# KiCad board panel_50_1.kicad_pcb (continued)
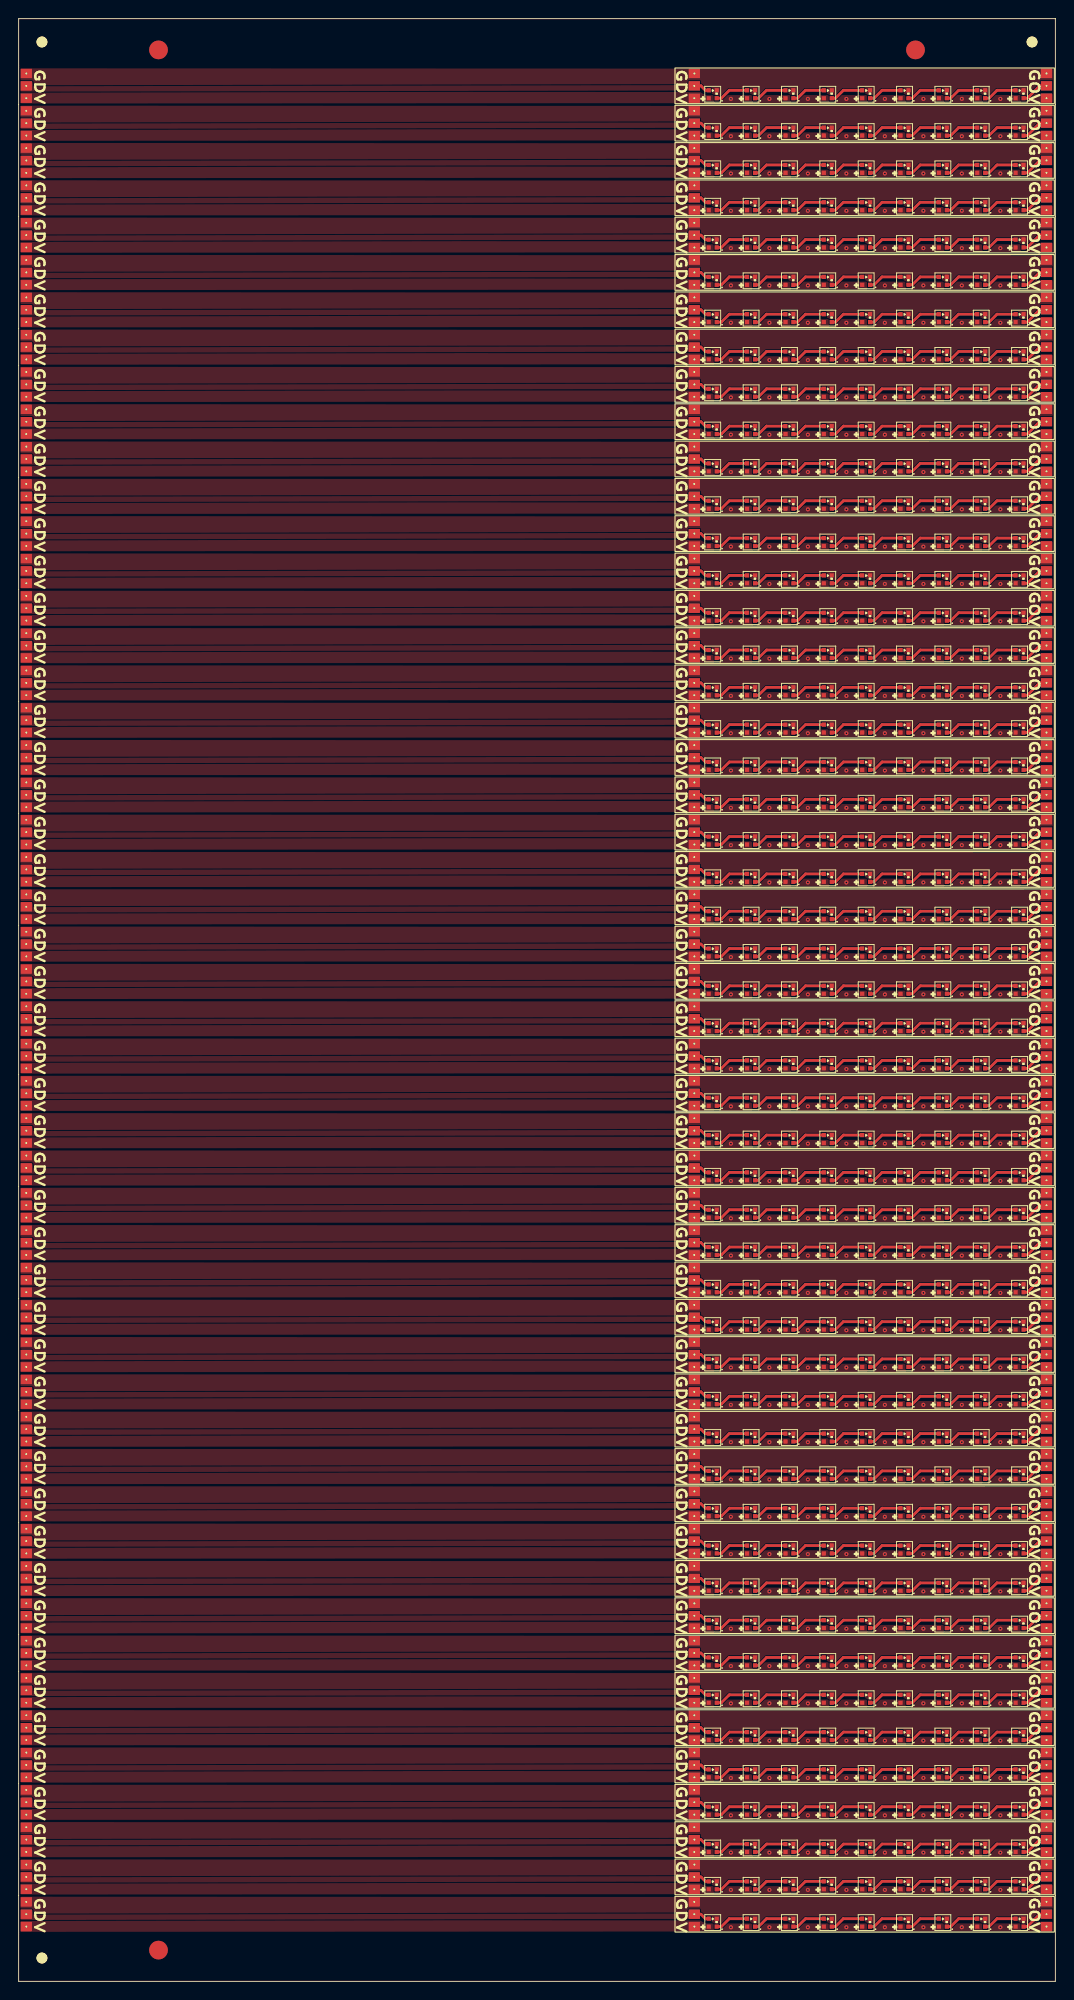
[diagram p0: board, top side]
## Placement (name value [footprint] x y rotation side) (continued)
J7#26  Conn_01x01  [TH_Pads_1.2x1_P1.20mml]  0.82 37.87 0 top
J7#27  Conn_01x01  [TH_Pads_1.2x1_P1.20mml]  0.82 77.87 0 top
J7#28  Conn_01x01  [TH_Pads_1.2x1_P1.20mml]  0.82 105.87 0 top
J7#29  Conn_01x01  [TH_Pads_1.2x1_P1.20mml]  0.82 57.87 0 top
J7#30  Conn_01x01  [TH_Pads_1.2x1_P1.20mml]  0.82 33.87 0 top
J7#31  Conn_01x01  [TH_Pads_1.2x1_P1.20mml]  0.82 93.87 0 top
J7#32  Conn_01x01  [TH_Pads_1.2x1_P1.20mml]  0.82 73.87 0 top
J7#33  Conn_01x01  [TH_Pads_1.2x1_P1.20mml]  0.82 49.87 0 top
J7#34  Conn_01x01  [TH_Pads_1.2x1_P1.20mml]  0.82 197.87 0 top
J7#35  Conn_01x01  [TH_Pads_1.2x1_P1.20mml]  0.82 133.87 0 top
J7#36  Conn_01x01  [TH_Pads_1.2x1_P1.20mml]  0.82 189.87 0 top
J7#37  Conn_01x01  [TH_Pads_1.2x1_P1.20mml]  0.82 177.87 0 top
J7#38  Conn_01x01  [TH_Pads_1.2x1_P1.20mml]  0.82 29.87 0 top
J7#39  Conn_01x01  [TH_Pads_1.2x1_P1.20mml]  0.82 201.87 0 top
J7#40  Conn_01x01  [TH_Pads_1.2x1_P1.20mml]  0.82 185.87 0 top
J7#41  Conn_01x01  [TH_Pads_1.2x1_P1.20mml]  0.82 17.87 0 top
J7#42  Conn_01x01  [TH_Pads_1.2x1_P1.20mml]  0.82 89.87 0 top
J7#43  Conn_01x01  [TH_Pads_1.2x1_P1.20mml]  0.82 113.87 0 top
J7#44  Conn_01x01  [TH_Pads_1.2x1_P1.20mml]  0.82 21.87 0 top
J7#45  Conn_01x01  [TH_Pads_1.2x1_P1.20mml]  0.82 101.87 0 top
J7#46  Conn_01x01  [TH_Pads_1.2x1_P1.20mml]  0.82 81.87 0 top
J7#47  Conn_01x01  [TH_Pads_1.2x1_P1.20mml]  0.82 181.87 0 top
J7#48  Conn_01x01  [TH_Pads_1.2x1_P1.20mml]  0.82 45.87 0 top
J7#49  Conn_01x01  [TH_Pads_1.2x1_P1.20mml]  0.82 173.87 0 top
J7#50  Conn_01x01  [TH_Pads_1.2x1_P1.20mml]  0.82 169.87 0 top
J8  Conn_01x01  [TH_Pads_1.2x1_P1.20mml]  0.82 64.52 0 top
J8#2  Conn_01x01  [TH_Pads_1.2x1_P1.20mml]  0.82 192.52 0 top
J8#3  Conn_01x01  [TH_Pads_1.2x1_P1.20mml]  0.82 44.52 0 top
J8#4  Conn_01x01  [TH_Pads_1.2x1_P1.20mml]  0.82 144.52 0 top
J8#5  Conn_01x01  [TH_Pads_1.2x1_P1.20mml]  0.82 20.52 0 top
J8#6  Conn_01x01  [TH_Pads_1.2x1_P1.20mml]  0.82 200.52 0 top
J8#7  Conn_01x01  [TH_Pads_1.2x1_P1.20mml]  0.82 132.52 0 top
J8#8  Conn_01x01  [TH_Pads_1.2x1_P1.20mml]  0.82 40.52 0 top
J8#9  Conn_01x01  [TH_Pads_1.2x1_P1.20mml]  0.82 48.52 0 top
J8#10  Conn_01x01  [TH_Pads_1.2x1_P1.20mml]  0.82 32.52 0 top
J8#11  Conn_01x01  [TH_Pads_1.2x1_P1.20mml]  0.82 164.52 0 top
J8#12  Conn_01x01  [TH_Pads_1.2x1_P1.20mml]  0.82 156.52 0 top
J8#13  Conn_01x01  [TH_Pads_1.2x1_P1.20mml]  0.82 36.52 0 top
J8#14  Conn_01x01  [TH_Pads_1.2x1_P1.20mml]  0.82 196.52 0 top
J8#15  Conn_01x01  [TH_Pads_1.2x1_P1.20mml]  0.82 72.52 0 top
J8#16  Conn_01x01  [TH_Pads_1.2x1_P1.20mml]  0.82 188.52 0 top
J8#17  Conn_01x01  [TH_Pads_1.2x1_P1.20mml]  0.82 176.52 0 top
J8#18  Conn_01x01  [TH_Pads_1.2x1_P1.20mml]  0.82 180.52 0 top
J8#19  Conn_01x01  [TH_Pads_1.2x1_P1.20mml]  0.82 80.52 0 top
J8#20  Conn_01x01  [TH_Pads_1.2x1_P1.20mml]  0.82 120.52 0 top
J8#21  Conn_01x01  [TH_Pads_1.2x1_P1.20mml]  0.82 12.52 0 top
J8#22  Conn_01x01  [TH_Pads_1.2x1_P1.20mml]  0.82 148.52 0 top
J8#23  Conn_01x01  [TH_Pads_1.2x1_P1.20mml]  0.82 16.52 0 top
J8#24  Conn_01x01  [TH_Pads_1.2x1_P1.20mml]  0.82 112.52 0 top
J8#25  Conn_01x01  [TH_Pads_1.2x1_P1.20mml]  0.82 124.52 0 top
J8#26  Conn_01x01  [TH_Pads_1.2x1_P1.20mml]  0.82 92.52 0 top
J8#27  Conn_01x01  [TH_Pads_1.2x1_P1.20mml]  0.82 116.52 0 top
J8#28  Conn_01x01  [TH_Pads_1.2x1_P1.20mml]  0.82 128.52 0 top
J8#29  Conn_01x01  [TH_Pads_1.2x1_P1.20mml]  0.82 88.52 0 top
J8#30  Conn_01x01  [TH_Pads_1.2x1_P1.20mml]  0.82 160.52 0 top
J8#31  Conn_01x01  [TH_Pads_1.2x1_P1.20mml]  0.82 108.52 0 top
J8#32  Conn_01x01  [TH_Pads_1.2x1_P1.20mml]  0.82 172.52 0 top
J8#33  Conn_01x01  [TH_Pads_1.2x1_P1.20mml]  0.82 100.52 0 top
J8#34  Conn_01x01  [TH_Pads_1.2x1_P1.20mml]  0.82 168.52 0 top
J8#35  Conn_01x01  [TH_Pads_1.2x1_P1.20mml]  0.82 76.52 0 top
J8#36  Conn_01x01  [TH_Pads_1.2x1_P1.20mml]  0.82 204.52 0 top
J8#37  Conn_01x01  [TH_Pads_1.2x1_P1.20mml]  0.82 60.52 0 top
J8#38  Conn_01x01  [TH_Pads_1.2x1_P1.20mml]  0.82 104.52 0 top
J8#39  Conn_01x01  [TH_Pads_1.2x1_P1.20mml]  0.82 8.52 0 top
J8#40  Conn_01x01  [TH_Pads_1.2x1_P1.20mml]  0.82 84.52 0 top
J8#41  Conn_01x01  [TH_Pads_1.2x1_P1.20mml]  0.82 184.52 0 top
J8#42  Conn_01x01  [TH_Pads_1.2x1_P1.20mml]  0.82 96.52 0 top
J8#43  Conn_01x01  [TH_Pads_1.2x1_P1.20mml]  0.82 140.52 0 top
J8#44  Conn_01x01  [TH_Pads_1.2x1_P1.20mml]  0.82 152.52 0 top
J8#45  Conn_01x01  [TH_Pads_1.2x1_P1.20mml]  0.82 56.52 0 top
J8#46  Conn_01x01  [TH_Pads_1.2x1_P1.20mml]  0.82 68.52 0 top
J8#47  Conn_01x01  [TH_Pads_1.2x1_P1.20mml]  0.82 52.52 0 top
J8#48  Conn_01x01  [TH_Pads_1.2x1_P1.20mml]  0.82 24.52 0 top
J8#49  Conn_01x01  [TH_Pads_1.2x1_P1.20mml]  0.82 136.52 0 top
J8#50  Conn_01x01  [TH_Pads_1.2x1_P1.20mml]  0.82 28.52 0 top
J9  Conn_01x01  [TH_Pads_1.2x1_P1.20mml]  0.82 67.19 0 top
J9#2  Conn_01x01  [TH_Pads_1.2x1_P1.20mml]  0.82 55.19 0 top
J9#3  Conn_01x01  [TH_Pads_1.2x1_P1.20mml]  0.82 123.2 0 top
J9#4  Conn_01x01  [TH_Pads_1.2x1_P1.20mml]  0.82 23.19 0 top
J9#5  Conn_01x01  [TH_Pads_1.2x1_P1.20mml]  0.82 87.19 0 top
J9#6  Conn_01x01  [TH_Pads_1.2x1_P1.20mml]  0.82 127.2 0 top
J9#7  Conn_01x01  [TH_Pads_1.2x1_P1.20mml]  0.82 79.19 0 top
J9#8  Conn_01x01  [TH_Pads_1.2x1_P1.20mml]  0.82 7.19 0 top
J9#9  Conn_01x01  [TH_Pads_1.2x1_P1.20mml]  0.82 175.19 0 top
J9#10  Conn_01x01  [TH_Pads_1.2x1_P1.20mml]  0.82 155.19 0 top
J9#11  Conn_01x01  [TH_Pads_1.2x1_P1.20mml]  0.82 143.19 0 top
J9#12  Conn_01x01  [TH_Pads_1.2x1_P1.20mml]  0.82 103.2 0 top
J9#13  Conn_01x01  [TH_Pads_1.2x1_P1.20mml]  0.82 183.19 0 top
J9#14  Conn_01x01  [TH_Pads_1.2x1_P1.20mml]  0.82 63.19 0 top
J9#15  Conn_01x01  [TH_Pads_1.2x1_P1.20mml]  0.82 151.19 0 top
J9#16  Conn_01x01  [TH_Pads_1.2x1_P1.20mml]  0.82 43.19 0 top
J9#17  Conn_01x01  [TH_Pads_1.2x1_P1.20mml]  0.82 147.19 0 top
J9#18  Conn_01x01  [TH_Pads_1.2x1_P1.20mml]  0.82 39.19 0 top
J9#19  Conn_01x01  [TH_Pads_1.2x1_P1.20mml]  0.82 59.19 0 top
J9#20  Conn_01x01  [TH_Pads_1.2x1_P1.20mml]  0.82 179.19 0 top
J9#21  Conn_01x01  [TH_Pads_1.2x1_P1.20mml]  0.82 11.19 0 top
J9#22  Conn_01x01  [TH_Pads_1.2x1_P1.20mml]  0.82 75.19 0 top
J9#23  Conn_01x01  [TH_Pads_1.2x1_P1.20mml]  0.82 95.19 0 top
J9#24  Conn_01x01  [TH_Pads_1.2x1_P1.20mml]  0.82 15.19 0 top
J9#25  Conn_01x01  [TH_Pads_1.2x1_P1.20mml]  0.82 187.19 0 top
J9#26  Conn_01x01  [TH_Pads_1.2x1_P1.20mml]  0.82 135.19 0 top
J9#27  Conn_01x01  [TH_Pads_1.2x1_P1.20mml]  0.82 47.19 0 top
J9#28  Conn_01x01  [TH_Pads_1.2x1_P1.20mml]  0.82 19.19 0 top
J9#29  Conn_01x01  [TH_Pads_1.2x1_P1.20mml]  0.82 191.19 0 top
J9#30  Conn_01x01  [TH_Pads_1.2x1_P1.20mml]  0.82 139.19 0 top
J9#31  Conn_01x01  [TH_Pads_1.2x1_P1.20mml]  0.82 131.19 0 top
J9#32  Conn_01x01  [TH_Pads_1.2x1_P1.20mml]  0.82 199.19 0 top
J9#33  Conn_01x01  [TH_Pads_1.2x1_P1.20mml]  0.82 31.19 0 top
J9#34  Conn_01x01  [TH_Pads_1.2x1_P1.20mml]  0.82 119.2 0 top
J9#35  Conn_01x01  [TH_Pads_1.2x1_P1.20mml]  0.82 71.19 0 top
J9#36  Conn_01x01  [TH_Pads_1.2x1_P1.20mml]  0.82 163.19 0 top
J9#37  Conn_01x01  [TH_Pads_1.2x1_P1.20mml]  0.82 91.19 0 top
J9#38  Conn_01x01  [TH_Pads_1.2x1_P1.20mml]  0.82 99.19 0 top
J9#39  Conn_01x01  [TH_Pads_1.2x1_P1.20mml]  0.82 115.2 0 top
J9#40  Conn_01x01  [TH_Pads_1.2x1_P1.20mml]  0.82 51.19 0 top
J9#41  Conn_01x01  [TH_Pads_1.2x1_P1.20mml]  0.82 111.2 0 top
J9#42  Conn_01x01  [TH_Pads_1.2x1_P1.20mml]  0.82 107.2 0 top
J9#43  Conn_01x01  [TH_Pads_1.2x1_P1.20mml]  0.82 203.19 0 top
J9#44  Conn_01x01  [TH_Pads_1.2x1_P1.20mml]  0.82 159.19 0 top
J9#45  Conn_01x01  [TH_Pads_1.2x1_P1.20mml]  0.82 195.19 0 top
J9#46  Conn_01x01  [TH_Pads_1.2x1_P1.20mml]  0.82 167.19 0 top
J9#47  Conn_01x01  [TH_Pads_1.2x1_P1.20mml]  0.82 171.19 0 top
J9#48  Conn_01x01  [TH_Pads_1.2x1_P1.20mml]  0.82 83.19 0 top
J9#49  Conn_01x01  [TH_Pads_1.2x1_P1.20mml]  0.82 27.19 0 top
J9#50  Conn_01x01  [TH_Pads_1.2x1_P1.20mml]  0.82 35.19 0 top
REF**  -  [NPTH]  2.5 2.5 0 top
REF**#2  -  [NPTH]  2.5 207.9 0 top
REF**#3  -  [Fiducial]  96.19 207.05 0 top
REF**#4  -  [NPTH]  108.69 207.9 0 top
REF**#5  -  [Fiducial]  15 207.05 0 top
REF**#6  -  [Fiducial]  15 3.35 0 top
REF**#7  -  [Fiducial]  96.19 207.05 0 bottom
REF**#8  -  [Fiducial]  15 3.35 0 bottom
REF**#9  -  [Fiducial]  15 207.05 0 bottom
U1  XL-1010RGBC-WS2812B  [LED-SMD_4P-L1.0-W1.0-TL_XL-1010RGBC-WS2812B]  74.44 186.3 180 top
U1#2  XL-1010RGBC-WS2812B  [LED-SMD_4P-L1.0-W1.0-TL_XL-1010RGBC-WS2812B]  74.44 106.3 180 top
U1#3  XL-1010RGBC-WS2812B  [LED-SMD_4P-L1.0-W1.0-TL_XL-1010RGBC-WS2812B]  74.44 110.3 180 top
U1#4  XL-1010RGBC-WS2812B  [LED-SMD_4P-L1.0-W1.0-TL_XL-1010RGBC-WS2812B]  74.44 146.3 180 top
U1#5  XL-1010RGBC-WS2812B  [LED-SMD_4P-L1.0-W1.0-TL_XL-1010RGBC-WS2812B]  74.44 54.3 180 top
U1#6  XL-1010RGBC-WS2812B  [LED-SMD_4P-L1.0-W1.0-TL_XL-1010RGBC-WS2812B]  74.44 74.3 180 top
U1#7  XL-1010RGBC-WS2812B  [LED-SMD_4P-L1.0-W1.0-TL_XL-1010RGBC-WS2812B]  74.44 142.3 180 top
U1#8  XL-1010RGBC-WS2812B  [LED-SMD_4P-L1.0-W1.0-TL_XL-1010RGBC-WS2812B]  74.44 34.3 180 top
U1#9  XL-1010RGBC-WS2812B  [LED-SMD_4P-L1.0-W1.0-TL_XL-1010RGBC-WS2812B]  74.44 162.3 180 top
U1#10  XL-1010RGBC-WS2812B  [LED-SMD_4P-L1.0-W1.0-TL_XL-1010RGBC-WS2812B]  74.44 70.3 180 top
U1#11  XL-1010RGBC-WS2812B  [LED-SMD_4P-L1.0-W1.0-TL_XL-1010RGBC-WS2812B]  74.44 178.3 180 top
U1#12  XL-1010RGBC-WS2812B  [LED-SMD_4P-L1.0-W1.0-TL_XL-1010RGBC-WS2812B]  74.44 154.3 180 top
U1#13  XL-1010RGBC-WS2812B  [LED-SMD_4P-L1.0-W1.0-TL_XL-1010RGBC-WS2812B]  74.44 58.3 180 top
U1#14  XL-1010RGBC-WS2812B  [LED-SMD_4P-L1.0-W1.0-TL_XL-1010RGBC-WS2812B]  74.44 202.3 180 top
U1#15  XL-1010RGBC-WS2812B  [LED-SMD_4P-L1.0-W1.0-TL_XL-1010RGBC-WS2812B]  74.44 170.3 180 top
U1#16  XL-1010RGBC-WS2812B  [LED-SMD_4P-L1.0-W1.0-TL_XL-1010RGBC-WS2812B]  74.44 26.3 180 top
U1#17  XL-1010RGBC-WS2812B  [LED-SMD_4P-L1.0-W1.0-TL_XL-1010RGBC-WS2812B]  74.44 30.3 180 top
U1#18  XL-1010RGBC-WS2812B  [LED-SMD_4P-L1.0-W1.0-TL_XL-1010RGBC-WS2812B]  74.44 94.3 180 top
U1#19  XL-1010RGBC-WS2812B  [LED-SMD_4P-L1.0-W1.0-TL_XL-1010RGBC-WS2812B]  74.44 102.3 180 top
U1#20  XL-1010RGBC-WS2812B  [LED-SMD_4P-L1.0-W1.0-TL_XL-1010RGBC-WS2812B]  74.44 14.3 180 top
U1#21  XL-1010RGBC-WS2812B  [LED-SMD_4P-L1.0-W1.0-TL_XL-1010RGBC-WS2812B]  74.44 50.3 180 top
U1#22  XL-1010RGBC-WS2812B  [LED-SMD_4P-L1.0-W1.0-TL_XL-1010RGBC-WS2812B]  74.44 86.3 180 top
U1#23  XL-1010RGBC-WS2812B  [LED-SMD_4P-L1.0-W1.0-TL_XL-1010RGBC-WS2812B]  74.44 10.3 180 top
U1#24  XL-1010RGBC-WS2812B  [LED-SMD_4P-L1.0-W1.0-TL_XL-1010RGBC-WS2812B]  74.44 138.3 180 top
U1#25  XL-1010RGBC-WS2812B  [LED-SMD_4P-L1.0-W1.0-TL_XL-1010RGBC-WS2812B]  74.44 62.3 180 top
U1#26  XL-1010RGBC-WS2812B  [LED-SMD_4P-L1.0-W1.0-TL_XL-1010RGBC-WS2812B]  74.44 126.3 180 top
U1#27  XL-1010RGBC-WS2812B  [LED-SMD_4P-L1.0-W1.0-TL_XL-1010RGBC-WS2812B]  74.44 118.3 180 top
U1#28  XL-1010RGBC-WS2812B  [LED-SMD_4P-L1.0-W1.0-TL_XL-1010RGBC-WS2812B]  74.44 158.3 180 top
U1#29  XL-1010RGBC-WS2812B  [LED-SMD_4P-L1.0-W1.0-TL_XL-1010RGBC-WS2812B]  74.44 194.3 180 top
U1#30  XL-1010RGBC-WS2812B  [LED-SMD_4P-L1.0-W1.0-TL_XL-1010RGBC-WS2812B]  74.44 174.3 180 top
U1#31  XL-1010RGBC-WS2812B  [LED-SMD_4P-L1.0-W1.0-TL_XL-1010RGBC-WS2812B]  74.44 150.3 180 top
U1#32  XL-1010RGBC-WS2812B  [LED-SMD_4P-L1.0-W1.0-TL_XL-1010RGBC-WS2812B]  74.44 78.3 180 top
U1#33  XL-1010RGBC-WS2812B  [LED-SMD_4P-L1.0-W1.0-TL_XL-1010RGBC-WS2812B]  74.44 82.3 180 top
U1#34  XL-1010RGBC-WS2812B  [LED-SMD_4P-L1.0-W1.0-TL_XL-1010RGBC-WS2812B]  74.44 198.3 180 top
U1#35  XL-1010RGBC-WS2812B  [LED-SMD_4P-L1.0-W1.0-TL_XL-1010RGBC-WS2812B]  74.44 18.3 180 top
U1#36  XL-1010RGBC-WS2812B  [LED-SMD_4P-L1.0-W1.0-TL_XL-1010RGBC-WS2812B]  74.44 98.3 180 top
U1#37  XL-1010RGBC-WS2812B  [LED-SMD_4P-L1.0-W1.0-TL_XL-1010RGBC-WS2812B]  74.44 38.3 180 top
U1#38  XL-1010RGBC-WS2812B  [LED-SMD_4P-L1.0-W1.0-TL_XL-1010RGBC-WS2812B]  74.44 46.3 180 top
U1#39  XL-1010RGBC-WS2812B  [LED-SMD_4P-L1.0-W1.0-TL_XL-1010RGBC-WS2812B]  74.44 190.3 180 top
U1#40  XL-1010RGBC-WS2812B  [LED-SMD_4P-L1.0-W1.0-TL_XL-1010RGBC-WS2812B]  74.44 134.3 180 top
U1#41  XL-1010RGBC-WS2812B  [LED-SMD_4P-L1.0-W1.0-TL_XL-1010RGBC-WS2812B]  74.44 114.3 180 top
U1#42  XL-1010RGBC-WS2812B  [LED-SMD_4P-L1.0-W1.0-TL_XL-1010RGBC-WS2812B]  74.44 22.3 180 top
U1#43  XL-1010RGBC-WS2812B  [LED-SMD_4P-L1.0-W1.0-TL_XL-1010RGBC-WS2812B]  74.44 130.3 180 top
U1#44  XL-1010RGBC-WS2812B  [LED-SMD_4P-L1.0-W1.0-TL_XL-1010RGBC-WS2812B]  74.44 122.3 180 top
U1#45  XL-1010RGBC-WS2812B  [LED-SMD_4P-L1.0-W1.0-TL_XL-1010RGBC-WS2812B]  74.44 182.3 180 top
U1#46  XL-1010RGBC-WS2812B  [LED-SMD_4P-L1.0-W1.0-TL_XL-1010RGBC-WS2812B]  74.44 166.3 180 top
U1#47  XL-1010RGBC-WS2812B  [LED-SMD_4P-L1.0-W1.0-TL_XL-1010RGBC-WS2812B]  74.44 90.3 180 top
U1#48  XL-1010RGBC-WS2812B  [LED-SMD_4P-L1.0-W1.0-TL_XL-1010RGBC-WS2812B]  74.44 6.3 180 top
U1#49  XL-1010RGBC-WS2812B  [LED-SMD_4P-L1.0-W1.0-TL_XL-1010RGBC-WS2812B]  74.44 66.3 180 top
U1#50  XL-1010RGBC-WS2812B  [LED-SMD_4P-L1.0-W1.0-TL_XL-1010RGBC-WS2812B]  74.44 42.3 180 top
U2  XL-1010RGBC-WS2812B  [LED-SMD_4P-L1.0-W1.0-TL_XL-1010RGBC-WS2812B]  78.56 182.3 180 top
U2#2  XL-1010RGBC-WS2812B  [LED-SMD_4P-L1.0-W1.0-TL_XL-1010RGBC-WS2812B]  78.56 194.3 180 top
U2#3  XL-1010RGBC-WS2812B  [LED-SMD_4P-L1.0-W1.0-TL_XL-1010RGBC-WS2812B]  78.56 166.3 180 top
U2#4  XL-1010RGBC-WS2812B  [LED-SMD_4P-L1.0-W1.0-TL_XL-1010RGBC-WS2812B]  78.56 78.3 180 top
U2#5  XL-1010RGBC-WS2812B  [LED-SMD_4P-L1.0-W1.0-TL_XL-1010RGBC-WS2812B]  78.56 150.3 180 top
U2#6  XL-1010RGBC-WS2812B  [LED-SMD_4P-L1.0-W1.0-TL_XL-1010RGBC-WS2812B]  78.56 138.3 180 top
U2#7  XL-1010RGBC-WS2812B  [LED-SMD_4P-L1.0-W1.0-TL_XL-1010RGBC-WS2812B]  78.56 146.3 180 top
U2#8  XL-1010RGBC-WS2812B  [LED-SMD_4P-L1.0-W1.0-TL_XL-1010RGBC-WS2812B]  78.56 58.3 180 top
U2#9  XL-1010RGBC-WS2812B  [LED-SMD_4P-L1.0-W1.0-TL_XL-1010RGBC-WS2812B]  78.56 62.3 180 top
U2#10  XL-1010RGBC-WS2812B  [LED-SMD_4P-L1.0-W1.0-TL_XL-1010RGBC-WS2812B]  78.56 162.3 180 top
U2#11  XL-1010RGBC-WS2812B  [LED-SMD_4P-L1.0-W1.0-TL_XL-1010RGBC-WS2812B]  78.56 46.3 180 top
U2#12  XL-1010RGBC-WS2812B  [LED-SMD_4P-L1.0-W1.0-TL_XL-1010RGBC-WS2812B]  78.56 94.3 180 top
U2#13  XL-1010RGBC-WS2812B  [LED-SMD_4P-L1.0-W1.0-TL_XL-1010RGBC-WS2812B]  78.56 198.3 180 top
U2#14  XL-1010RGBC-WS2812B  [LED-SMD_4P-L1.0-W1.0-TL_XL-1010RGBC-WS2812B]  78.56 70.3 180 top
U2#15  XL-1010RGBC-WS2812B  [LED-SMD_4P-L1.0-W1.0-TL_XL-1010RGBC-WS2812B]  78.56 42.3 180 top
U2#16  XL-1010RGBC-WS2812B  [LED-SMD_4P-L1.0-W1.0-TL_XL-1010RGBC-WS2812B]  78.56 170.3 180 top
U2#17  XL-1010RGBC-WS2812B  [LED-SMD_4P-L1.0-W1.0-TL_XL-1010RGBC-WS2812B]  78.56 134.3 180 top
U2#18  XL-1010RGBC-WS2812B  [LED-SMD_4P-L1.0-W1.0-TL_XL-1010RGBC-WS2812B]  78.56 154.3 180 top
U2#19  XL-1010RGBC-WS2812B  [LED-SMD_4P-L1.0-W1.0-TL_XL-1010RGBC-WS2812B]  78.56 98.3 180 top
U2#20  XL-1010RGBC-WS2812B  [LED-SMD_4P-L1.0-W1.0-TL_XL-1010RGBC-WS2812B]  78.56 90.3 180 top
U2#21  XL-1010RGBC-WS2812B  [LED-SMD_4P-L1.0-W1.0-TL_XL-1010RGBC-WS2812B]  78.56 30.3 180 top
U2#22  XL-1010RGBC-WS2812B  [LED-SMD_4P-L1.0-W1.0-TL_XL-1010RGBC-WS2812B]  78.56 54.3 180 top
U2#23  XL-1010RGBC-WS2812B  [LED-SMD_4P-L1.0-W1.0-TL_XL-1010RGBC-WS2812B]  78.56 174.3 180 top
U2#24  XL-1010RGBC-WS2812B  [LED-SMD_4P-L1.0-W1.0-TL_XL-1010RGBC-WS2812B]  78.56 178.3 180 top
U2#25  XL-1010RGBC-WS2812B  [LED-SMD_4P-L1.0-W1.0-TL_XL-1010RGBC-WS2812B]  78.56 126.3 180 top
U2#26  XL-1010RGBC-WS2812B  [LED-SMD_4P-L1.0-W1.0-TL_XL-1010RGBC-WS2812B]  78.56 142.3 180 top
U2#27  XL-1010RGBC-WS2812B  [LED-SMD_4P-L1.0-W1.0-TL_XL-1010RGBC-WS2812B]  78.56 106.3 180 top
U2#28  XL-1010RGBC-WS2812B  [LED-SMD_4P-L1.0-W1.0-TL_XL-1010RGBC-WS2812B]  78.56 82.3 180 top
U2#29  XL-1010RGBC-WS2812B  [LED-SMD_4P-L1.0-W1.0-TL_XL-1010RGBC-WS2812B]  78.56 66.3 180 top
U2#30  XL-1010RGBC-WS2812B  [LED-SMD_4P-L1.0-W1.0-TL_XL-1010RGBC-WS2812B]  78.56 130.3 180 top
U2#31  XL-1010RGBC-WS2812B  [LED-SMD_4P-L1.0-W1.0-TL_XL-1010RGBC-WS2812B]  78.56 114.3 180 top
U2#32  XL-1010RGBC-WS2812B  [LED-SMD_4P-L1.0-W1.0-TL_XL-1010RGBC-WS2812B]  78.56 118.3 180 top
U2#33  XL-1010RGBC-WS2812B  [LED-SMD_4P-L1.0-W1.0-TL_XL-1010RGBC-WS2812B]  78.56 86.3 180 top
U2#34  XL-1010RGBC-WS2812B  [LED-SMD_4P-L1.0-W1.0-TL_XL-1010RGBC-WS2812B]  78.56 158.3 180 top
U2#35  XL-1010RGBC-WS2812B  [LED-SMD_4P-L1.0-W1.0-TL_XL-1010RGBC-WS2812B]  78.56 10.3 180 top
U2#36  XL-1010RGBC-WS2812B  [LED-SMD_4P-L1.0-W1.0-TL_XL-1010RGBC-WS2812B]  78.56 102.3 180 top
U2#37  XL-1010RGBC-WS2812B  [LED-SMD_4P-L1.0-W1.0-TL_XL-1010RGBC-WS2812B]  78.56 50.3 180 top
U2#38  XL-1010RGBC-WS2812B  [LED-SMD_4P-L1.0-W1.0-TL_XL-1010RGBC-WS2812B]  78.56 34.3 180 top
U2#39  XL-1010RGBC-WS2812B  [LED-SMD_4P-L1.0-W1.0-TL_XL-1010RGBC-WS2812B]  78.56 6.3 180 top
U2#40  XL-1010RGBC-WS2812B  [LED-SMD_4P-L1.0-W1.0-TL_XL-1010RGBC-WS2812B]  78.56 22.3 180 top
U2#41  XL-1010RGBC-WS2812B  [LED-SMD_4P-L1.0-W1.0-TL_XL-1010RGBC-WS2812B]  78.56 38.3 180 top
U2#42  XL-1010RGBC-WS2812B  [LED-SMD_4P-L1.0-W1.0-TL_XL-1010RGBC-WS2812B]  78.56 18.3 180 top
U2#43  XL-1010RGBC-WS2812B  [LED-SMD_4P-L1.0-W1.0-TL_XL-1010RGBC-WS2812B]  78.56 14.3 180 top
U2#44  XL-1010RGBC-WS2812B  [LED-SMD_4P-L1.0-W1.0-TL_XL-1010RGBC-WS2812B]  78.56 74.3 180 top
U2#45  XL-1010RGBC-WS2812B  [LED-SMD_4P-L1.0-W1.0-TL_XL-1010RGBC-WS2812B]  78.56 122.3 180 top
U2#46  XL-1010RGBC-WS2812B  [LED-SMD_4P-L1.0-W1.0-TL_XL-1010RGBC-WS2812B]  78.56 202.3 180 top
U2#47  XL-1010RGBC-WS2812B  [LED-SMD_4P-L1.0-W1.0-TL_XL-1010RGBC-WS2812B]  78.56 26.3 180 top
U2#48  XL-1010RGBC-WS2812B  [LED-SMD_4P-L1.0-W1.0-TL_XL-1010RGBC-WS2812B]  78.56 186.3 180 top
U2#49  XL-1010RGBC-WS2812B  [LED-SMD_4P-L1.0-W1.0-TL_XL-1010RGBC-WS2812B]  78.56 110.3 180 top
U2#50  XL-1010RGBC-WS2812B  [LED-SMD_4P-L1.0-W1.0-TL_XL-1010RGBC-WS2812B]  78.56 190.3 180 top
U3  XL-1010RGBC-WS2812B  [LED-SMD_4P-L1.0-W1.0-TL_XL-1010RGBC-WS2812B]  82.67 134.3 180 top
U3#2  XL-1010RGBC-WS2812B  [LED-SMD_4P-L1.0-W1.0-TL_XL-1010RGBC-WS2812B]  82.67 106.3 180 top
U3#3  XL-1010RGBC-WS2812B  [LED-SMD_4P-L1.0-W1.0-TL_XL-1010RGBC-WS2812B]  82.67 38.3 180 top
U3#4  XL-1010RGBC-WS2812B  [LED-SMD_4P-L1.0-W1.0-TL_XL-1010RGBC-WS2812B]  82.67 6.3 180 top
U3#5  XL-1010RGBC-WS2812B  [LED-SMD_4P-L1.0-W1.0-TL_XL-1010RGBC-WS2812B]  82.67 78.3 180 top
U3#6  XL-1010RGBC-WS2812B  [LED-SMD_4P-L1.0-W1.0-TL_XL-1010RGBC-WS2812B]  82.67 30.3 180 top
U3#7  XL-1010RGBC-WS2812B  [LED-SMD_4P-L1.0-W1.0-TL_XL-1010RGBC-WS2812B]  82.67 54.3 180 top
U3#8  XL-1010RGBC-WS2812B  [LED-SMD_4P-L1.0-W1.0-TL_XL-1010RGBC-WS2812B]  82.67 90.3 180 top
U3#9  XL-1010RGBC-WS2812B  [LED-SMD_4P-L1.0-W1.0-TL_XL-1010RGBC-WS2812B]  82.67 202.3 180 top
U3#10  XL-1010RGBC-WS2812B  [LED-SMD_4P-L1.0-W1.0-TL_XL-1010RGBC-WS2812B]  82.67 142.3 180 top
U3#11  XL-1010RGBC-WS2812B  [LED-SMD_4P-L1.0-W1.0-TL_XL-1010RGBC-WS2812B]  82.67 58.3 180 top
U3#12  XL-1010RGBC-WS2812B  [LED-SMD_4P-L1.0-W1.0-TL_XL-1010RGBC-WS2812B]  82.67 138.3 180 top
U3#13  XL-1010RGBC-WS2812B  [LED-SMD_4P-L1.0-W1.0-TL_XL-1010RGBC-WS2812B]  82.67 34.3 180 top
U3#14  XL-1010RGBC-WS2812B  [LED-SMD_4P-L1.0-W1.0-TL_XL-1010RGBC-WS2812B]  82.67 82.3 180 top
U3#15  XL-1010RGBC-WS2812B  [LED-SMD_4P-L1.0-W1.0-TL_XL-1010RGBC-WS2812B]  82.67 70.3 180 top
U3#16  XL-1010RGBC-WS2812B  [LED-SMD_4P-L1.0-W1.0-TL_XL-1010RGBC-WS2812B]  82.67 130.3 180 top
U3#17  XL-1010RGBC-WS2812B  [LED-SMD_4P-L1.0-W1.0-TL_XL-1010RGBC-WS2812B]  82.67 178.3 180 top
U3#18  XL-1010RGBC-WS2812B  [LED-SMD_4P-L1.0-W1.0-TL_XL-1010RGBC-WS2812B]  82.67 62.3 180 top
U3#19  XL-1010RGBC-WS2812B  [LED-SMD_4P-L1.0-W1.0-TL_XL-1010RGBC-WS2812B]  82.67 18.3 180 top
U3#20  XL-1010RGBC-WS2812B  [LED-SMD_4P-L1.0-W1.0-TL_XL-1010RGBC-WS2812B]  82.67 46.3 180 top
U3#21  XL-1010RGBC-WS2812B  [LED-SMD_4P-L1.0-W1.0-TL_XL-1010RGBC-WS2812B]  82.67 110.3 180 top
U3#22  XL-1010RGBC-WS2812B  [LED-SMD_4P-L1.0-W1.0-TL_XL-1010RGBC-WS2812B]  82.67 42.3 180 top
U3#23  XL-1010RGBC-WS2812B  [LED-SMD_4P-L1.0-W1.0-TL_XL-1010RGBC-WS2812B]  82.67 14.3 180 top
U3#24  XL-1010RGBC-WS2812B  [LED-SMD_4P-L1.0-W1.0-TL_XL-1010RGBC-WS2812B]  82.67 194.3 180 top
U3#25  XL-1010RGBC-WS2812B  [LED-SMD_4P-L1.0-W1.0-TL_XL-1010RGBC-WS2812B]  82.67 186.3 180 top
U3#26  XL-1010RGBC-WS2812B  [LED-SMD_4P-L1.0-W1.0-TL_XL-1010RGBC-WS2812B]  82.67 182.3 180 top
U3#27  XL-1010RGBC-WS2812B  [LED-SMD_4P-L1.0-W1.0-TL_XL-1010RGBC-WS2812B]  82.67 86.3 180 top
U3#28  XL-1010RGBC-WS2812B  [LED-SMD_4P-L1.0-W1.0-TL_XL-1010RGBC-WS2812B]  82.67 66.3 180 top
U3#29  XL-1010RGBC-WS2812B  [LED-SMD_4P-L1.0-W1.0-TL_XL-1010RGBC-WS2812B]  82.67 94.3 180 top
U3#30  XL-1010RGBC-WS2812B  [LED-SMD_4P-L1.0-W1.0-TL_XL-1010RGBC-WS2812B]  82.67 174.3 180 top
U3#31  XL-1010RGBC-WS2812B  [LED-SMD_4P-L1.0-W1.0-TL_XL-1010RGBC-WS2812B]  82.67 98.3 180 top
U3#32  XL-1010RGBC-WS2812B  [LED-SMD_4P-L1.0-W1.0-TL_XL-1010RGBC-WS2812B]  82.67 158.3 180 top
U3#33  XL-1010RGBC-WS2812B  [LED-SMD_4P-L1.0-W1.0-TL_XL-1010RGBC-WS2812B]  82.67 22.3 180 top
U3#34  XL-1010RGBC-WS2812B  [LED-SMD_4P-L1.0-W1.0-TL_XL-1010RGBC-WS2812B]  82.67 10.3 180 top
U3#35  XL-1010RGBC-WS2812B  [LED-SMD_4P-L1.0-W1.0-TL_XL-1010RGBC-WS2812B]  82.67 126.3 180 top
U3#36  XL-1010RGBC-WS2812B  [LED-SMD_4P-L1.0-W1.0-TL_XL-1010RGBC-WS2812B]  82.67 50.3 180 top
U3#37  XL-1010RGBC-WS2812B  [LED-SMD_4P-L1.0-W1.0-TL_XL-1010RGBC-WS2812B]  82.67 102.3 180 top
U3#38  XL-1010RGBC-WS2812B  [LED-SMD_4P-L1.0-W1.0-TL_XL-1010RGBC-WS2812B]  82.67 170.3 180 top
U3#39  XL-1010RGBC-WS2812B  [LED-SMD_4P-L1.0-W1.0-TL_XL-1010RGBC-WS2812B]  82.67 166.3 180 top
U3#40  XL-1010RGBC-WS2812B  [LED-SMD_4P-L1.0-W1.0-TL_XL-1010RGBC-WS2812B]  82.67 118.3 180 top
U3#41  XL-1010RGBC-WS2812B  [LED-SMD_4P-L1.0-W1.0-TL_XL-1010RGBC-WS2812B]  82.67 146.3 180 top
U3#42  XL-1010RGBC-WS2812B  [LED-SMD_4P-L1.0-W1.0-TL_XL-1010RGBC-WS2812B]  82.67 122.3 180 top
U3#43  XL-1010RGBC-WS2812B  [LED-SMD_4P-L1.0-W1.0-TL_XL-1010RGBC-WS2812B]  82.67 162.3 180 top
U3#44  XL-1010RGBC-WS2812B  [LED-SMD_4P-L1.0-W1.0-TL_XL-1010RGBC-WS2812B]  82.67 114.3 180 top
U3#45  XL-1010RGBC-WS2812B  [LED-SMD_4P-L1.0-W1.0-TL_XL-1010RGBC-WS2812B]  82.67 190.3 180 top
U3#46  XL-1010RGBC-WS2812B  [LED-SMD_4P-L1.0-W1.0-TL_XL-1010RGBC-WS2812B]  82.67 198.3 180 top
U3#47  XL-1010RGBC-WS2812B  [LED-SMD_4P-L1.0-W1.0-TL_XL-1010RGBC-WS2812B]  82.67 74.3 180 top
U3#48  XL-1010RGBC-WS2812B  [LED-SMD_4P-L1.0-W1.0-TL_XL-1010RGBC-WS2812B]  82.67 154.3 180 top
U3#49  XL-1010RGBC-WS2812B  [LED-SMD_4P-L1.0-W1.0-TL_XL-1010RGBC-WS2812B]  82.67 26.3 180 top
U3#50  XL-1010RGBC-WS2812B  [LED-SMD_4P-L1.0-W1.0-TL_XL-1010RGBC-WS2812B]  82.67 150.3 180 top
U4  XL-1010RGBC-WS2812B  [LED-SMD_4P-L1.0-W1.0-TL_XL-1010RGBC-WS2812B]  86.78 142.3 180 top
U4#2  XL-1010RGBC-WS2812B  [LED-SMD_4P-L1.0-W1.0-TL_XL-1010RGBC-WS2812B]  86.78 186.3 180 top
U4#3  XL-1010RGBC-WS2812B  [LED-SMD_4P-L1.0-W1.0-TL_XL-1010RGBC-WS2812B]  86.78 66.3 180 top
U4#4  XL-1010RGBC-WS2812B  [LED-SMD_4P-L1.0-W1.0-TL_XL-1010RGBC-WS2812B]  86.78 114.3 180 top
U4#5  XL-1010RGBC-WS2812B  [LED-SMD_4P-L1.0-W1.0-TL_XL-1010RGBC-WS2812B]  86.78 150.3 180 top
U4#6  XL-1010RGBC-WS2812B  [LED-SMD_4P-L1.0-W1.0-TL_XL-1010RGBC-WS2812B]  86.78 78.3 180 top
U4#7  XL-1010RGBC-WS2812B  [LED-SMD_4P-L1.0-W1.0-TL_XL-1010RGBC-WS2812B]  86.78 190.3 180 top
U4#8  XL-1010RGBC-WS2812B  [LED-SMD_4P-L1.0-W1.0-TL_XL-1010RGBC-WS2812B]  86.78 86.3 180 top
U4#9  XL-1010RGBC-WS2812B  [LED-SMD_4P-L1.0-W1.0-TL_XL-1010RGBC-WS2812B]  86.78 18.3 180 top
U4#10  XL-1010RGBC-WS2812B  [LED-SMD_4P-L1.0-W1.0-TL_XL-1010RGBC-WS2812B]  86.78 14.3 180 top
U4#11  XL-1010RGBC-WS2812B  [LED-SMD_4P-L1.0-W1.0-TL_XL-1010RGBC-WS2812B]  86.78 46.3 180 top
U4#12  XL-1010RGBC-WS2812B  [LED-SMD_4P-L1.0-W1.0-TL_XL-1010RGBC-WS2812B]  86.78 138.3 180 top
U4#13  XL-1010RGBC-WS2812B  [LED-SMD_4P-L1.0-W1.0-TL_XL-1010RGBC-WS2812B]  86.78 182.3 180 top
U4#14  XL-1010RGBC-WS2812B  [LED-SMD_4P-L1.0-W1.0-TL_XL-1010RGBC-WS2812B]  86.78 102.3 180 top
U4#15  XL-1010RGBC-WS2812B  [LED-SMD_4P-L1.0-W1.0-TL_XL-1010RGBC-WS2812B]  86.78 134.3 180 top
U4#16  XL-1010RGBC-WS2812B  [LED-SMD_4P-L1.0-W1.0-TL_XL-1010RGBC-WS2812B]  86.78 90.3 180 top
U4#17  XL-1010RGBC-WS2812B  [LED-SMD_4P-L1.0-W1.0-TL_XL-1010RGBC-WS2812B]  86.78 178.3 180 top
U4#18  XL-1010RGBC-WS2812B  [LED-SMD_4P-L1.0-W1.0-TL_XL-1010RGBC-WS2812B]  86.78 130.3 180 top
U4#19  XL-1010RGBC-WS2812B  [LED-SMD_4P-L1.0-W1.0-TL_XL-1010RGBC-WS2812B]  86.78 110.3 180 top
U4#20  XL-1010RGBC-WS2812B  [LED-SMD_4P-L1.0-W1.0-TL_XL-1010RGBC-WS2812B]  86.78 106.3 180 top
U4#21  XL-1010RGBC-WS2812B  [LED-SMD_4P-L1.0-W1.0-TL_XL-1010RGBC-WS2812B]  86.78 26.3 180 top
U4#22  XL-1010RGBC-WS2812B  [LED-SMD_4P-L1.0-W1.0-TL_XL-1010RGBC-WS2812B]  86.78 94.3 180 top
U4#23  XL-1010RGBC-WS2812B  [LED-SMD_4P-L1.0-W1.0-TL_XL-1010RGBC-WS2812B]  86.78 30.3 180 top
U4#24  XL-1010RGBC-WS2812B  [LED-SMD_4P-L1.0-W1.0-TL_XL-1010RGBC-WS2812B]  86.78 82.3 180 top
U4#25  XL-1010RGBC-WS2812B  [LED-SMD_4P-L1.0-W1.0-TL_XL-1010RGBC-WS2812B]  86.78 70.3 180 top
U4#26  XL-1010RGBC-WS2812B  [LED-SMD_4P-L1.0-W1.0-TL_XL-1010RGBC-WS2812B]  86.78 146.3 180 top
U4#27  XL-1010RGBC-WS2812B  [LED-SMD_4P-L1.0-W1.0-TL_XL-1010RGBC-WS2812B]  86.78 98.3 180 top
U4#28  XL-1010RGBC-WS2812B  [LED-SMD_4P-L1.0-W1.0-TL_XL-1010RGBC-WS2812B]  86.78 118.3 180 top
U4#29  XL-1010RGBC-WS2812B  [LED-SMD_4P-L1.0-W1.0-TL_XL-1010RGBC-WS2812B]  86.78 166.3 180 top
U4#30  XL-1010RGBC-WS2812B  [LED-SMD_4P-L1.0-W1.0-TL_XL-1010RGBC-WS2812B]  86.78 154.3 180 top
U4#31  XL-1010RGBC-WS2812B  [LED-SMD_4P-L1.0-W1.0-TL_XL-1010RGBC-WS2812B]  86.78 38.3 180 top
U4#32  XL-1010RGBC-WS2812B  [LED-SMD_4P-L1.0-W1.0-TL_XL-1010RGBC-WS2812B]  86.78 74.3 180 top
U4#33  XL-1010RGBC-WS2812B  [LED-SMD_4P-L1.0-W1.0-TL_XL-1010RGBC-WS2812B]  86.78 202.3 180 top
U4#34  XL-1010RGBC-WS2812B  [LED-SMD_4P-L1.0-W1.0-TL_XL-1010RGBC-WS2812B]  86.78 50.3 180 top
U4#35  XL-1010RGBC-WS2812B  [LED-SMD_4P-L1.0-W1.0-TL_XL-1010RGBC-WS2812B]  86.78 58.3 180 top
U4#36  XL-1010RGBC-WS2812B  [LED-SMD_4P-L1.0-W1.0-TL_XL-1010RGBC-WS2812B]  86.78 54.3 180 top
U4#37  XL-1010RGBC-WS2812B  [LED-SMD_4P-L1.0-W1.0-TL_XL-1010RGBC-WS2812B]  86.78 158.3 180 top
U4#38  XL-1010RGBC-WS2812B  [LED-SMD_4P-L1.0-W1.0-TL_XL-1010RGBC-WS2812B]  86.78 6.3 180 top
U4#39  XL-1010RGBC-WS2812B  [LED-SMD_4P-L1.0-W1.0-TL_XL-1010RGBC-WS2812B]  86.78 162.3 180 top
U4#40  XL-1010RGBC-WS2812B  [LED-SMD_4P-L1.0-W1.0-TL_XL-1010RGBC-WS2812B]  86.78 194.3 180 top
U4#41  XL-1010RGBC-WS2812B  [LED-SMD_4P-L1.0-W1.0-TL_XL-1010RGBC-WS2812B]  86.78 198.3 180 top
U4#42  XL-1010RGBC-WS2812B  [LED-SMD_4P-L1.0-W1.0-TL_XL-1010RGBC-WS2812B]  86.78 34.3 180 top
U4#43  XL-1010RGBC-WS2812B  [LED-SMD_4P-L1.0-W1.0-TL_XL-1010RGBC-WS2812B]  86.78 170.3 180 top
U4#44  XL-1010RGBC-WS2812B  [LED-SMD_4P-L1.0-W1.0-TL_XL-1010RGBC-WS2812B]  86.78 10.3 180 top
U4#45  XL-1010RGBC-WS2812B  [LED-SMD_4P-L1.0-W1.0-TL_XL-1010RGBC-WS2812B]  86.78 22.3 180 top
U4#46  XL-1010RGBC-WS2812B  [LED-SMD_4P-L1.0-W1.0-TL_XL-1010RGBC-WS2812B]  86.78 122.3 180 top
U4#47  XL-1010RGBC-WS2812B  [LED-SMD_4P-L1.0-W1.0-TL_XL-1010RGBC-WS2812B]  86.78 42.3 180 top
U4#48  XL-1010RGBC-WS2812B  [LED-SMD_4P-L1.0-W1.0-TL_XL-1010RGBC-WS2812B]  86.78 62.3 180 top
U4#49  XL-1010RGBC-WS2812B  [LED-SMD_4P-L1.0-W1.0-TL_XL-1010RGBC-WS2812B]  86.78 174.3 180 top
U4#50  XL-1010RGBC-WS2812B  [LED-SMD_4P-L1.0-W1.0-TL_XL-1010RGBC-WS2812B]  86.78 126.3 180 top
U5  XL-1010RGBC-WS2812B  [LED-SMD_4P-L1.0-W1.0-TL_XL-1010RGBC-WS2812B]  90.9 174.3 180 top
U5#2  XL-1010RGBC-WS2812B  [LED-SMD_4P-L1.0-W1.0-TL_XL-1010RGBC-WS2812B]  90.9 198.3 180 top
U5#3  XL-1010RGBC-WS2812B  [LED-SMD_4P-L1.0-W1.0-TL_XL-1010RGBC-WS2812B]  90.9 34.3 180 top
U5#4  XL-1010RGBC-WS2812B  [LED-SMD_4P-L1.0-W1.0-TL_XL-1010RGBC-WS2812B]  90.9 146.3 180 top
U5#5  XL-1010RGBC-WS2812B  [LED-SMD_4P-L1.0-W1.0-TL_XL-1010RGBC-WS2812B]  90.9 74.3 180 top
U5#6  XL-1010RGBC-WS2812B  [LED-SMD_4P-L1.0-W1.0-TL_XL-1010RGBC-WS2812B]  90.9 86.3 180 top
U5#7  XL-1010RGBC-WS2812B  [LED-SMD_4P-L1.0-W1.0-TL_XL-1010RGBC-WS2812B]  90.9 10.3 180 top
U5#8  XL-1010RGBC-WS2812B  [LED-SMD_4P-L1.0-W1.0-TL_XL-1010RGBC-WS2812B]  90.9 62.3 180 top
U5#9  XL-1010RGBC-WS2812B  [LED-SMD_4P-L1.0-W1.0-TL_XL-1010RGBC-WS2812B]  90.9 90.3 180 top
U5#10  XL-1010RGBC-WS2812B  [LED-SMD_4P-L1.0-W1.0-TL_XL-1010RGBC-WS2812B]  90.9 178.3 180 top
U5#11  XL-1010RGBC-WS2812B  [LED-SMD_4P-L1.0-W1.0-TL_XL-1010RGBC-WS2812B]  90.9 50.3 180 top
U5#12  XL-1010RGBC-WS2812B  [LED-SMD_4P-L1.0-W1.0-TL_XL-1010RGBC-WS2812B]  90.9 194.3 180 top
U5#13  XL-1010RGBC-WS2812B  [LED-SMD_4P-L1.0-W1.0-TL_XL-1010RGBC-WS2812B]  90.9 126.3 180 top
U5#14  XL-1010RGBC-WS2812B  [LED-SMD_4P-L1.0-W1.0-TL_XL-1010RGBC-WS2812B]  90.9 46.3 180 top
U5#15  XL-1010RGBC-WS2812B  [LED-SMD_4P-L1.0-W1.0-TL_XL-1010RGBC-WS2812B]  90.9 162.3 180 top
U5#16  XL-1010RGBC-WS2812B  [LED-SMD_4P-L1.0-W1.0-TL_XL-1010RGBC-WS2812B]  90.9 130.3 180 top
U5#17  XL-1010RGBC-WS2812B  [LED-SMD_4P-L1.0-W1.0-TL_XL-1010RGBC-WS2812B]  90.9 170.3 180 top
U5#18  XL-1010RGBC-WS2812B  [LED-SMD_4P-L1.0-W1.0-TL_XL-1010RGBC-WS2812B]  90.9 110.3 180 top
